# Altium PCB BLDC_DRIVER_1.1_one_side.PcbDoc (part 2 of 3) (continued)
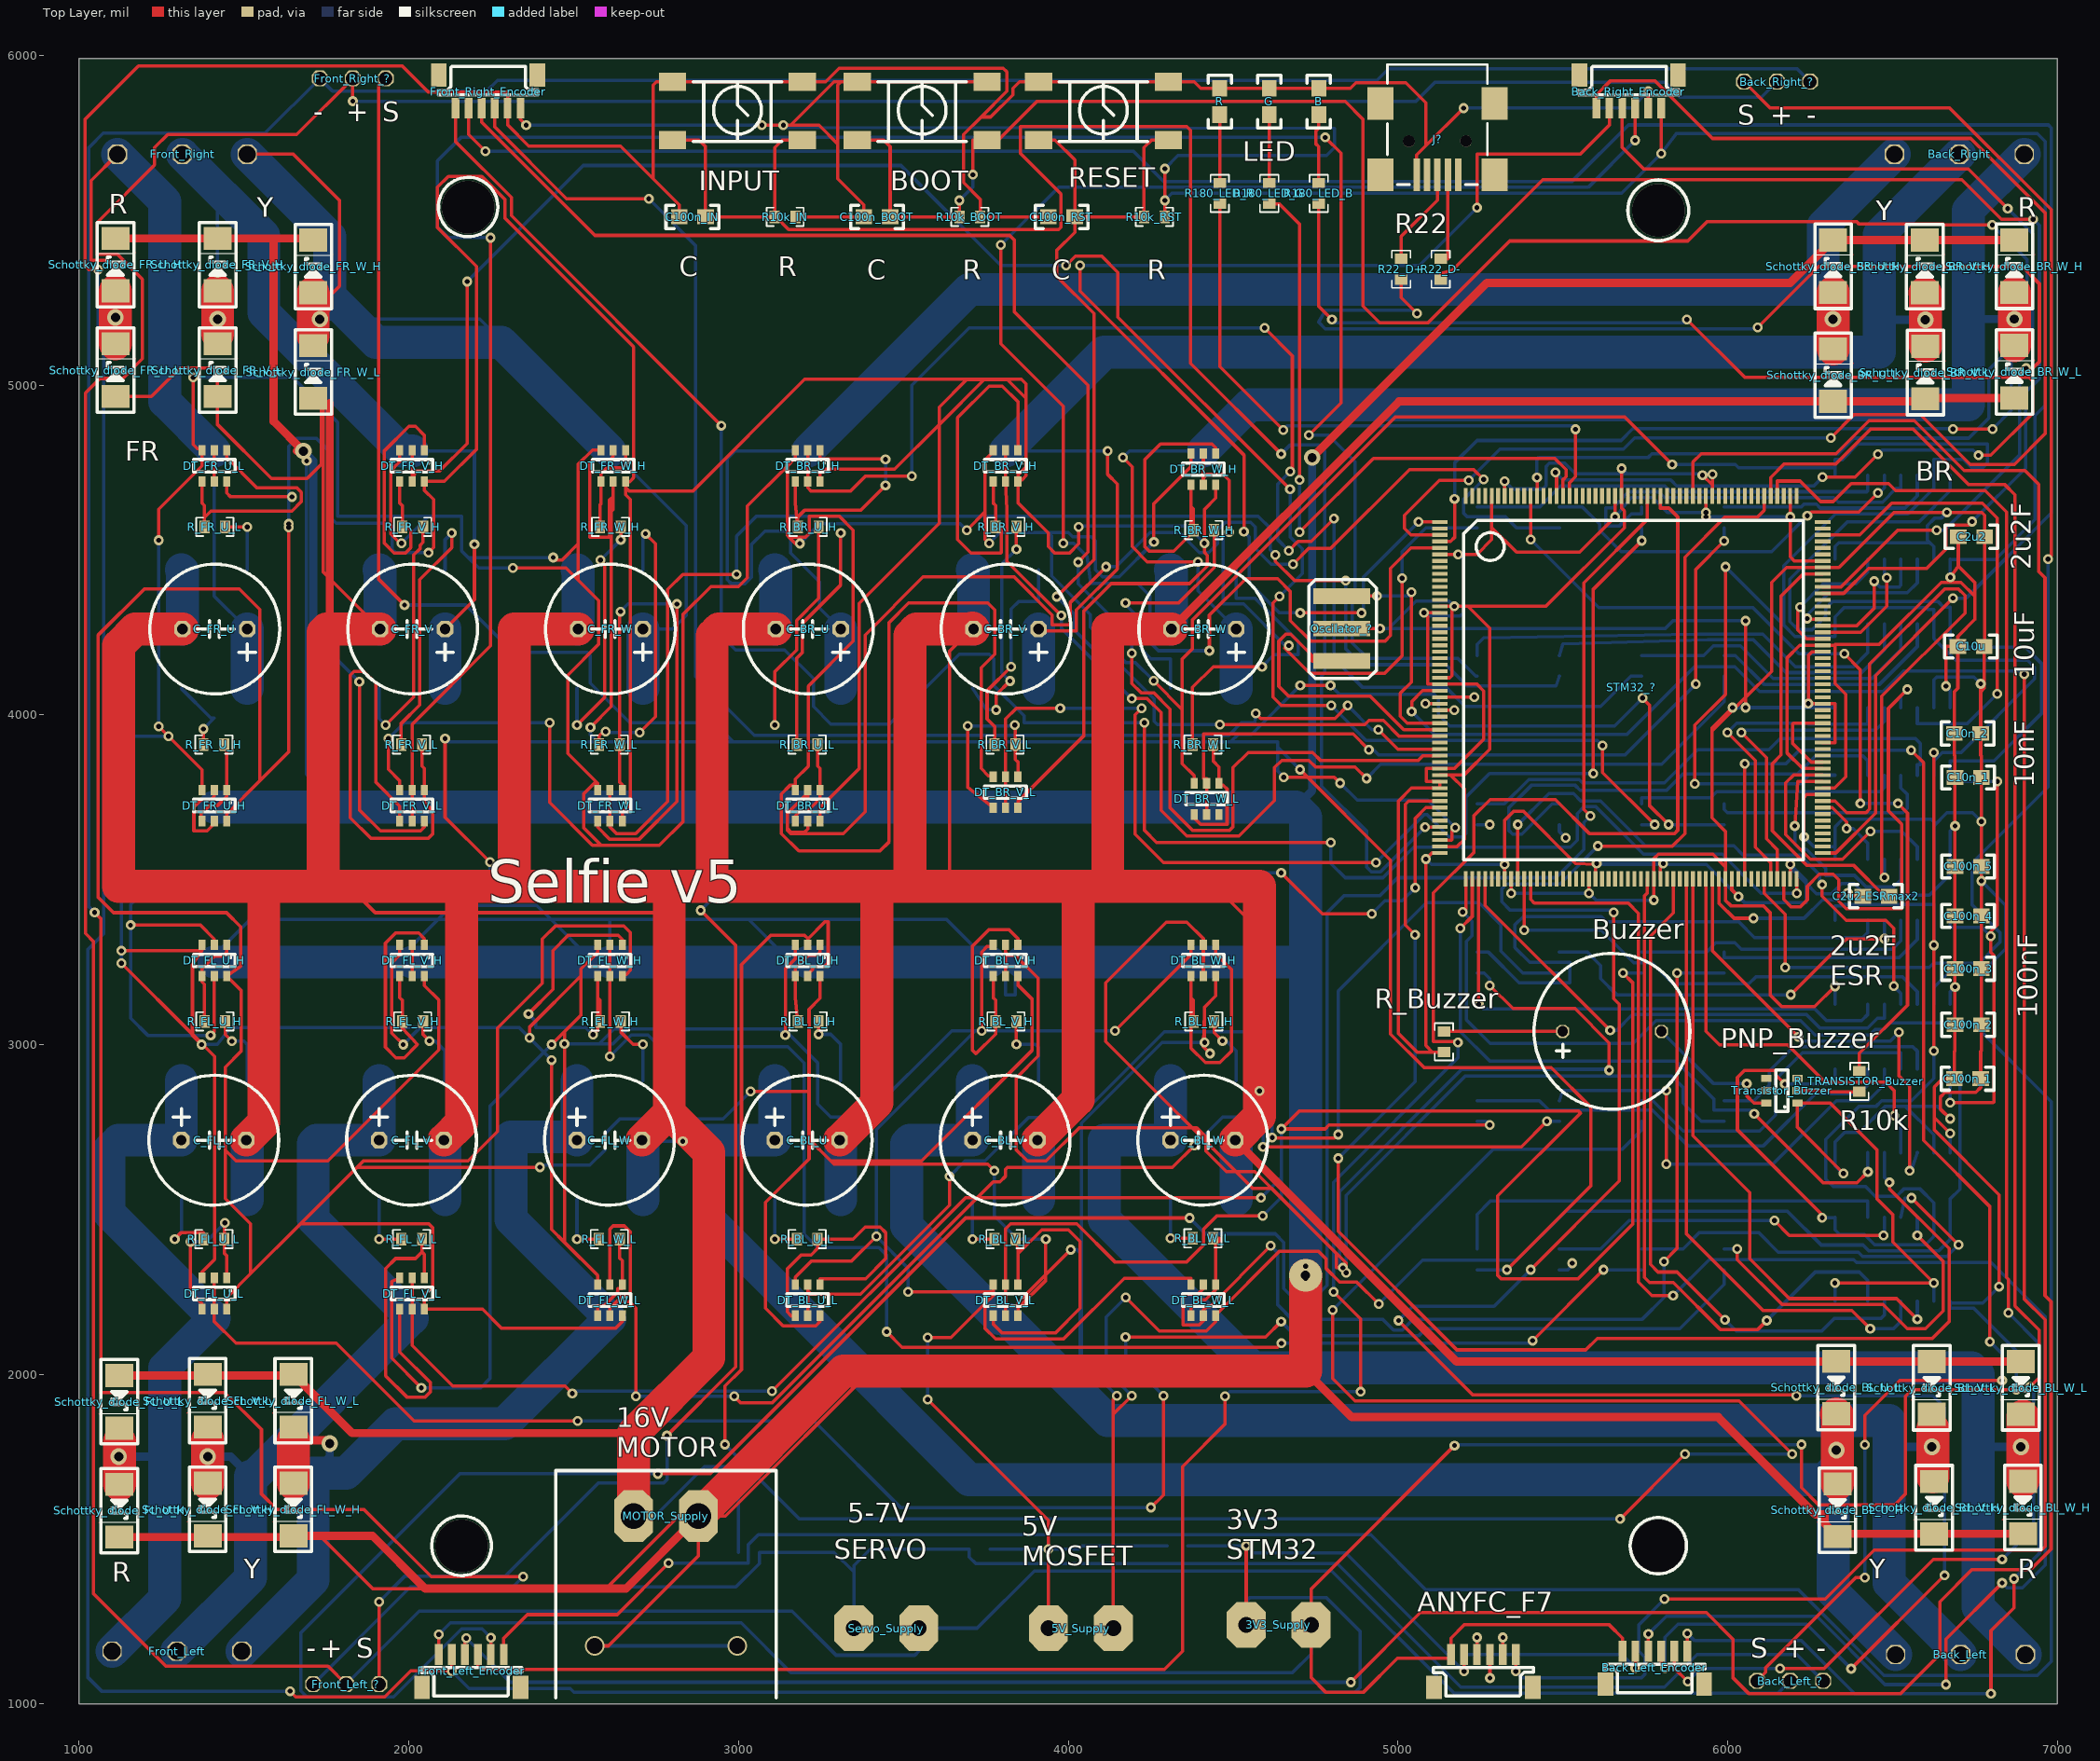
[diagram p0: Top Layer view]
## Nets (pads, with @x,y where several pads share a name; then routed paths per layer and width w, separated by ;. In a path a pad name is that pad's centre, name@x,y a point inside that pad or via, vN(x,y) a via of type N, cw(c..) or ccw(c..) an arc to the next point about the centre after c; other vN are vias at no path point) (continued)
  Top Layer w10: Schottky_diode_FR_V_L.2@1420,5125 1424,5125 1424,5155 Schottky_diode_FR_V_L.2@1420,5155 ; Schottky_diode_FR_V_H.1@1420,5285.55 v1(1420,5340) ; C_FR_V.1@2110,4260 2199,4349 v1(2199,4517)
  Top Layer w100: Schottky_diode_FR_V_L.2@1420,5155 v2(1420,5200) Schottky_diode_FR_V_H.1@1420,5285.55
  Bottom Layer w10: Front_Right.2@1313.15,5700 1420,5593.15 v1(1420,5340) ; MOSFET_FR_V_L.D@2010,4800.24 2199,4800.24 v1(2199,4517)
  Bottom Layer w100: Front_Right.2@1313.15,5700 1560,5453.15 1560,5220 1979.76,4800.24 MOSFET_FR_V_L.D@2010,4800.24 ; MOSFET_FR_V_H.S@2110,4080 C_FR_V.1@2110,4260
NetC_FR_W_1: C_FR_W.1 Front_Right.1 MOSFET_FR_W_H.S MOSFET_FR_W_L.D Schottky_diode_FR_W_H.1 Schottky_diode_FR_W_L.2 | length 4503.2
  Top Layer w10: Front_Right.1@1510,5700 1650,5700 1790,5560 1790,5300 1770,5280 1755,5280 ; Schottky_diode_FR_W_L.2@1710,5119.45 1714,5119.45 1714,5149.45 Schottky_diode_FR_W_L.2@1710,5149.45 ; Schottky_diode_FR_W_H.1@1710,5280 1755,5280 ; v2(1730,5200) 1765,5235 1765,5270 1755,5280
  Top Layer w100: Schottky_diode_FR_W_L.2@1710,5149.45 Schottky_diode_FR_W_H.1@1710,5280
  Bottom Layer w10: v2(1730,5200) 2215,5200 2841.37,4573.63 2841.37,4301.37 2800,4260 C_FR_W.1@2710,4260
  Bottom Layer w100: Front_Right.1@1510,5700 1760,5450 1760,5270 1900,5130 2280.24,5130 MOSFET_FR_W_L.D@2610,4800.24 ; MOSFET_FR_W_H.S@2710,4080 C_FR_W.1@2710,4260
NetDT_BL_U_H_1: DT_BL_U_H.1 DT_BL_U_H.4 R_BL_U_H.1 | length 279
  Top Layer w10: R_BL_U_H.1@3180,3070 3172.6,3142.4 DT_BL_U_H.4@3172.6,3207.72 3172.6,3231.6 3211,3270 3237.4,3270 3247.4,3280 DT_BL_U_H.1@3247.4,3302.2
NetDT_BL_U_H_2: DT_BL_U_H.2 DT_BL_U_H.5 R_DT_BL_U_H.2 | length 8329.7
  Top Layer w10: v1(2959,1787) 2959,1964 3009,2014 3009,3242 3098,3331 3200,3331 3210,3321 3210,3320 ; DT_BL_U_H.5@3210,3207.72 3210,3213 3224,3227 3224,3236.47 3260,3236.47 3272,3248.47 3272,3372 3262,3372 3210,3320 ; DT_BL_U_H.2@3210,3302.2 3210,3320 ; v1(4802,2195) 4802,1987 4870,1919 6035,1919 v1(6196,1758) ; v1(5674,1561) v1(5871,1758)
  Bottom Layer w10: v1(2959,1787) 3185,1561 v1(5674,1561) ; v1(4802,2195) 5289,2682 5680,2682 5740,2742 R_DT_BL_U_H.2@5740,2767 ; v1(5871,1758) v1(6196,1758)
NetDT_BL_U_L_1: DT_BL_U_L.1 DT_BL_U_L.4 R_BL_U_L.1 | length 855.8
  Top Layer w10: DT_BL_U_L.4@3172.6,2177.72 3172.6,2177 3160,2177 3148,2189 3148,2320 3190,2362 3220,2362 3240,2382 R_BL_U_L.1@3240,2410 3348,2410 3384,2446 3430,2446 3446,2430 3446,2349.96 3386.04,2290 3247.4,2290 DT_BL_U_L.1@3247.4,2272.2
NetDT_BL_U_L_2: DT_BL_U_L.2 DT_BL_U_L.5 R_DT_BL_U_L.2 | length 3767.8
  Top Layer w10: DT_BL_U_L.5@3210,2177.72 3210,2253 ; DT_BL_U_L.2@3210,2272.2 3210,2253 ; v1(3640,2600) 3640,2512.46 3370.54,2243 3220,2243 3210,2253 ; v1(4619,2718) 4621,2716 4808,2716 v1(4819,2727)
  Bottom Layer w10: v1(3640,2600) 3687,2647 3748,2647 3880,2779 4032,2779 4292,3039 4610,3039 4626,3023 4626,2779 4619,2772 v1(4619,2718) ; v1(4819,2727) 4819,3162.26 5086.74,3430 5246,3430 5313,3363 5313,3283 5379,3217 R_DT_BL_U_L.2@5490,3217
NetDT_BL_V_H_1: DT_BL_V_H.1 DT_BL_V_H.4 R_BL_V_H.1 | length 783.6
  Top Layer w10: DT_BL_V_H.4@3772.6,3207.72 3772.6,3142.4 3780,3135 R_BL_V_H.1@3780,3070 3780,3032 3720,2972 3710,2982 3710,3299 3760,3349 3820,3349 3847.4,3321.6 DT_BL_V_H.1@3847.4,3302.2
NetDT_BL_V_H_2: DT_BL_V_H.2 DT_BL_V_H.5 R_DT_BL_V_H.2 | length 3671.8
  Top Layer w10: DT_BL_V_H.5@3810,3207.72 3810,3280 ; DT_BL_V_H.2@3810,3302.2 3810,3280 ; v1(4843,2308) 4843,2337.79 4565.79,2615 4480,2615 4418,2677 4418,2720 4390,2748 4033.95,2748 3932.95,2647 3876,2647 3843,2680 3843,2899 3909,2965 3909,3201 3840,3270 3820,3270 3810,3280
  Bottom Layer w10: v1(4843,2308) 4843,2542.39 5205.61,2905 5830,2905 5865,2870 5865,2822 5920,2767 R_DT_BL_V_H.2@5990,2767
NetDT_BL_V_L_1: DT_BL_V_L.1 DT_BL_V_L.4 R_BL_V_L.1 | length 905.6
  Top Layer w10: DT_BL_V_L.4@3772.6,2177.72 3772.6,2152.4 3800,2125 3961,2125 4036,2200 4036,2402.35 4000.35,2438 3920,2438 3847.4,2365.4 ; R_BL_V_L.1@3840,2410 3847.4,2381.21 3847.4,2365.4 ; DT_BL_V_L.1@3847.4,2272.2 3847.4,2365.4
NetDT_BL_V_L_2: DT_BL_V_L.2 DT_BL_V_L.5 R_DT_BL_V_L.2 | length 4311.7
  Top Layer w10: DT_BL_V_L.5@3810,2177.72 DT_BL_V_L.2@3810,2272.2 3810,2441 3825,2456 4026.23,2456 4141.23,2341 4360,2341 4411,2392 4411,2440 4451,2480 v1(4590,2480) ; v1(4647,2744) 4701,2798 5548,2798 5554,2792 5303,2541 5303,2300 5314,2289 5546.19,2289 5712,2454.81 5712,3188 v1(5683,3217)
  Bottom Layer w10: v1(4590,2480) 4647,2537 v1(4647,2744) ; v1(5683,3217) R_DT_BL_V_L.2@5740,3217
NetDT_BL_W_H_1: DT_BL_W_H.1 DT_BL_W_H.4 R_BL_W_H.1 | length 792.4
  Top Layer w10: DT_BL_W_H.4@4372.6,3207.72 4372.6,3142.4 ; R_BL_W_H.1@4380,3070 4380,3135 4372.6,3142.4 ; DT_BL_W_H.1@4447.4,3302.2 4447.4,3275.14 4496,3226.54 4496,2980.6 4460.46,2945.06 4416.19,2945.06 4372.6,2988.65 4372.6,3142.4
NetDT_BL_W_H_2: DT_BL_W_H.2 DT_BL_W_H.5 R_DT_BL_W_H.2 | length 3505.6
  Top Layer w10: DT_BL_W_H.5@4410,3207.72 DT_BL_W_H.2@4410,3302.2 4410,3321 4360,3371 4298,3371 4114,3187 4114,3009.32 4558.97,2564.35 4616.43,2564.35 4813,2367.79 4813,2323 v1(4833,2323) ; v1(5279,3179) 5349,3109 5537,3109 5641,3005 v1(5641,2922)
  Bottom Layer w10: v1(4833,2323) 4823,2333 4823,2554 5194,2925 5638,2925 v1(5641,2922) ; R_DT_BL_W_H.2@5240,3217 5262,3217 5279,3200 v1(5279,3179)
NetDT_BL_W_L_1: DT_BL_W_L.1 DT_BL_W_L.4 R_BL_W_L.1 | length 299.9
  Top Layer w10: DT_BL_W_L.4@4372.6,2177.72 4372.6,2200 4398.05,2225.45 4416.45,2225.45 4447.4,2256.4 DT_BL_W_L.1@4447.4,2272.2 4447.4,2393.21 4458.83,2404.64 4458.83,2412.28 R_BL_W_L.1@4440,2412.28
NetDT_BL_W_L_2: DT_BL_W_L.2 DT_BL_W_L.5 R_DT_BL_W_L.2 | length 3128
  Top Layer w10: DT_BL_W_L.2@4410,2272.2 4410,2260 4393.45,2243.45 4360,2243.45 4348.77,2232.22 4348.77,2148.97 4397,2148.97 4410,2161.97 DT_BL_W_L.5@4410,2177.72 4410,2195 4420,2205 4430,2205 v1(4614.5,2389.5) ; v1(5807,2342) 5847,2382 v1(5847,3217)
  Bottom Layer w10: v1(4614.5,2389.5) 4636,2368 4636,2210 4680,2166 4955.35,2166 4986.85,2134.5 5013.61,2134.5 5045.11,2166 5740,2166 5807,2233 v1(5807,2342) ; v1(5847,3217) R_DT_BL_W_L.2@5990,3217
NetDT_BR_U_H_1: DT_BR_U_H.1 DT_BR_U_H.4 R_BR_U_H.1 | length 778.1
  Top Layer w10: DT_BR_U_H.4@3172.6,4707.72 3172.6,4642.4 R_BR_U_H.1@3180,4570 3180,4600 3200,4620 3370,4620 v1(3446,4696) ; DT_BR_U_H.1@3247.4,4802.2 3247.4,4776 3445,4776 v1(3446,4775)
  Bottom Layer w10: v1(3446,4696) v1(3446,4775)
NetDT_BR_U_H_2: DT_BR_U_H.2 DT_BR_U_H.5 R_DT_BR_U_H.2 | length 4246.5
  Top Layer w10: DT_BR_U_H.2@3210,4802.2 DT_BR_U_H.5@3210,4707.72 3210,4688 3220,4678 3339,4678 3385,4724 v1(3526,4724) ; v1(4596,5173) 4680,5089 4680,4744 v1(4674,4738) ; v1(4669,4498) 4697,4526 4737,4526 v1(4806,4595)
  Bottom Layer w10: v1(3526,4724) 3526,4999 3700,5173 v1(4596,5173) ; v1(4669,4498) 4636,4531 4636,4700 v1(4674,4738) ; v1(4806,4595) 4806,4170 4892,4084 5145,4084 5204,4025 5615,4025 5707,4117 R_DT_BR_U_H.2@5740,4117
NetDT_BR_U_L_1: DT_BR_U_L.1 DT_BR_U_L.4 R_BR_U_L.1 | length 279.8
  Top Layer w10: DT_BR_U_L.4@3172.6,3677.72 3172.6,3693.6 3186,3707 3209,3707 3247.4,3745.4 DT_BR_U_L.1@3247.4,3772.2 3247.4,3837 3240,3844.4 R_BR_U_L.1@3240,3910
NetDT_BR_U_L_2: DT_BR_U_L.2 DT_BR_U_L.5 R_DT_BR_U_L.2 | length 4070.9
  Top Layer w10: DT_BR_U_L.5@3210,3677.72 3210,3654 3200,3644 3160,3644 3148,3656 ; DT_BR_U_L.2@3210,3772.2 DT_BR_U_L.2@3210,3764 ; v1(4114.76,4449) 4007,4341.24 4007,4273 3951,4273 3951,4303 3836,4418 3560,4418 3384,4242 3384,3706 3318,3640 3158,3640 3148,3650 3148,3656 ; v1(4682,4457) 4730.33,4505.33 4796.34,4505.33 5035.01,4744 5230,4744 v1(5260,4714) ; 3148,3656 3148,3700 ; 3148,3700 3148,3702 DT_BR_U_L.2@3210,3764 ; 3148,3700 3198,3750 3210,3750 DT_BR_U_L.2@3210,3764
  Bottom Layer w10: v1(4114.76,4449) 4145,4449 4248.28,4552.28 4337.72,4552.28 4398,4492 4426,4492 4452.42,4518.42 4452.42,4560 4476.59,4584.16 4553.41,4584.16 4567.58,4570 4567.58,4504.7 4615.28,4457 v1(4682,4457) ; v1(5260,4714) 5200,4654 5200,4611 5210,4601 5326,4601 5360,4567 R_DT_BR_U_L.2@5490,4567
NetDT_BR_V_H_1: DT_BR_V_H.1 DT_BR_V_H.4 R_BR_V_H.1 | length 1143.9
  Top Layer w10: DT_BR_V_H.4@3772.6,4707.72 3772.6,4642.4 3780,4635 R_BR_V_H.1@3780,4570 3796.5,4570 3796.5,4492.5 3795,4491 3705.14,4491 3664.14,4532 3664.14,4901.14 3760,4997 3800,4997 3847.4,4949.6 DT_BR_V_H.1@3847.4,4802.2
NetDT_BR_V_H_2: DT_BR_V_H.2 DT_BR_V_H.5 R_DT_BR_V_H.2 | length 3403.9
  Top Layer w10: DT_BR_V_H.2@3810,4802.2 DT_BR_V_H.5@3810,4707.72 3814.5,4622.5 3814.5,4465.5 v1(3979,4301) ; v1(4193,4049) 4240,4049 4282,4007 4282,3710 4360,3632 4518,3632 4626,3740 4626,3840 4648,3862 4730.47,3862 4750.47,3842 4870,3842 v1(4905,3807)
  Bottom Layer w10: v1(3979,4301) 3979,4263 v1(4193,4049) ; v1(4905,3807) 4948,3850 5800,3850 5990,4040 R_DT_BR_V_H.2@5990,4117
NetDT_BR_V_L_1: DT_BR_V_L.1 DT_BR_V_L.4 R_BR_V_L.1 | length 591.6
  Top Layer w10: v1(3695,3966) 3695,3780 DT_BR_V_L.4@3772.6,3717.72 ; v1(3838,3969) 3840,3969 R_BR_V_L.1@3840,3910 3840,3864.4 3847.4,3857 DT_BR_V_L.1@3847.4,3812.2
  Bottom Layer w10: v1(3695,3966) 3835,3966 v1(3838,3969)
NetDT_BR_V_L_2: DT_BR_V_L.2 DT_BR_V_L.5 R_DT_BR_V_L.2 | length 3549.5
  Top Layer w10: DT_BR_V_L.5@3810,3717.72 DT_BR_V_L.2@3810,3812.2 3810,3987 3843,4020 v1(3976,4020) ; v1(4223,4020) 4203,4000 4203,3638 4289,3552 v1(4934,3552) ; v1(5593,3822) 5593,4381 v1(5740,4528)
  Bottom Layer w10: v1(3976,4020) v1(4223,4020) ; v1(4934,3552) 5079,3697 5089,3697 5156,3630 5196,3630 5206,3640 5206,3750 5278,3822 v1(5593,3822) ; v1(5740,4528) R_DT_BR_V_L.2@5740,4567
NetDT_BR_W_H_1: DT_BR_W_H.1 DT_BR_W_H.4 R_BR_W_H.1 | length 913.4
  Top Layer w10: DT_BR_W_H.4@4372.6,4697.72 4372.6,4632.4 ; R_BR_W_H.1@4380,4560 4380,4625 4372.6,4632.4 ; DT_BR_W_H.1@4447.4,4792.2 4447.4,4810 4436.4,4821 4280,4821 4232,4773 4232,4510 4246,4496 4320,4496 4372.6,4548.6 4372.6,4632.4
NetDT_BR_W_H_2: DT_BR_W_H.2 DT_BR_W_H.5 R_DT_BR_W_H.2 | length 1814.7
  Top Layer w10: DT_BR_W_H.5@4410,4697.72 4410,4719 ; DT_BR_W_H.2@4410,4792.2 4410,4719 ; v1(4488,4554) 4488,4711 4470,4729 4420,4729 4410,4719 ; v1(4669,4210) 4665,4210 4657,4202 4733,4126 4960,4126 5013,4179 v1(5013,4414)
  Bottom Layer w10: v1(4488,4554) 4470.42,4536.42 4470.42,4336 4531.76,4336 4657.76,4210 v1(4669,4210) ; v1(5013,4414) 5013,4495 5085,4567 R_DT_BR_W_H.2@5240,4567
NetDT_BR_W_L_1: DT_BR_W_L.1 DT_BR_W_L.4 R_BR_W_L.1 | length 384.8
  Top Layer w10: DT_BR_W_L.4@4382.6,3697.72 4382.6,3686.97 4401.56,3668 4482,3668 4482,3775 4470,3787 4457.4,3787 DT_BR_W_L.1@4457.4,3792.2 4457.4,3842 4440,3859.4 R_BR_W_L.1@4440,3910
NetDT_BR_W_L_2: DT_BR_W_L.2 DT_BR_W_L.5 R_DT_BR_W_L.2 | length 2370.6
  Top Layer w10: DT_BR_W_L.5@4420,3697.72 DT_BR_W_L.2@4420,3792.2 4420,3807 4411,3807 4411,3942 4864,3942 v1(4912,3894) ; v1(5904,4093) 5904,4441 v1(5990,4527)
  Bottom Layer w10: v1(4912,3894) 4926,3894 4941,3879 5690,3879 v1(5904,4093) ; v1(5990,4527) R_DT_BR_W_L.2@5990,4567
NetDT_FL_U_H_1: DT_FL_U_H.1 DT_FL_U_H.4 R_FL_U_H.1 | length 280.8
  Top Layer w10: R_FL_U_H.1@1380,3070 1380,3182.6 1372.6,3190 DT_FL_U_H.4@1372.6,3207.72 1372.6,3230 1411,3268.4 1435.8,3268.4 1447.4,3280 DT_FL_U_H.1@1447.4,3302.2
NetDT_FL_U_H_2: DT_FL_U_H.2 DT_FL_U_H.5 R_DT_FL_U_H.2 | length 7623.4
  Top Layer w10: v1(1156,3362) 1368,3362 1410,3320 DT_FL_U_H.2@1410,3302.2 ; v1(1399,3028) 1410,3039 DT_FL_U_H.5@1410,3207.72 ; v1(2110,3928) 2110,3689 v1(2246,3553) ; v1(4703,3834) 4978,3559 4978,3032 5080,2930 5465,2930 5586,2809 5586,2572 v1(5331,2317)
  Bottom Layer w10: v1(1399,3028) 1208.19,3028 1156,3080.19 v1(1156,3362) 1156,3425 1180,3449 2165,3449 2246,3530 v1(2246,3553) ; v1(2110,3928) 2110,3918 4636,3918 4636,3901 v1(4703,3834) ; R_DT_FL_U_H.2@5240,2317 v1(5331,2317)
NetDT_FL_U_L_1: DT_FL_U_L.1 DT_FL_U_L.4 R_FL_U_L.1 | length 516.9
  Top Layer w10: v1(1338,2402) 1338,2248.6 1372.6,2214 DT_FL_U_L.4@1372.6,2197.72 ; v1(1442,2459) 1440,2457 R_FL_U_L.1@1440,2410 1440,2367 1447.4,2359.6 DT_FL_U_L.1@1447.4,2292.2
  Bottom Layer w10: v1(1338,2402) 1385,2402 v1(1442,2459)
NetDT_FL_U_L_2: DT_FL_U_L.2 DT_FL_U_L.5 R_DT_FL_U_L.2 | length 5790.2
  Top Layer w10: DT_FL_U_L.2@1410,2292.2 DT_FL_U_L.5@1410,2197.72 1410,2160 1476,2094 1779.88,2094 2015.88,1858 v1(2512,1858) ; v1(4174,2112.97) 4598.97,2112.97 v1(4646,2160) ; v1(4251,1596) 4289,1634 v1(4289,1935)
  Bottom Layer w10: v1(2512,1858) 3229,1858 3491,1596 v1(4251,1596) ; v1(4174,2112.97) 4174,1981 4184,1971 4253,1971 v1(4289,1935) ; v1(4646,2160) 4689.5,2116.5 5063.11,2116.5 5084.61,2138 5855.48,2138 5990,2272.52 R_DT_FL_U_L.2@5990,2317
NetDT_FL_V_H_1: DT_FL_V_H.1 DT_FL_V_H.4 R_FL_V_H.1 | length 827.3
  Top Layer w10: DT_FL_V_H.4@1972.6,3207.72 1972.6,3142.4 1980,3135 R_FL_V_H.1@1980,3070 1980,3050 2026,3000 1986,2960 1961.09,2960 1929,2992.09 1929,3307 1960,3338 2030,3338 2047.4,3320.6 DT_FL_V_H.1@2047.4,3302.2
NetDT_FL_V_H_2: DT_FL_V_H.2 DT_FL_V_H.5 R_DT_FL_V_H.2 | length 145.9
  Top Layer w10: DT_FL_V_H.5@2010,3207.72 DT_FL_V_H.2@2010,3302.2
  Bottom Layer w10: R_DT_FL_V_H.2@5490,2317 5516,2317 5529,2330 v1(5529,2337)
NetDT_FL_V_L_1: DT_FL_V_L.1 DT_FL_V_L.4 R_FL_V_L.1 | length 1036.1
  Top Layer w10: DT_FL_V_L.4@1972.6,2197.72 1972.6,2068 2066,1974.6 2066,1947 2050,1931 1994,1931 1930,1995 1930,2321 1960,2351 2020,2351 2040,2371 ; R_FL_V_L.1@2040,2410 2040,2371 ; DT_FL_V_L.1@2047.4,2292.2 2047.4,2363.6 2040,2371
NetDT_FL_V_L_2: DT_FL_V_L.2 DT_FL_V_L.5 R_DT_FL_V_L.2 | length 4001.1
  Top Layer w10: DT_FL_V_L.2@2010,2292.2 DT_FL_V_L.5@2010,2197.72 2010,2087 2133,1964 2474,1964 v1(2496,1942) ; v1(3101.5,1948.5) 3688,2535 v1(4585,2535) ; v1(4647,2744) 4779.15,2744 4791,2755.85 v1(5279,2755.85)
  Bottom Layer w10: v1(2496,1942) 2502.5,1948.5 v1(3101.5,1948.5) ; v1(4585,2535) 4647,2597 v1(4647,2744) ; R_DT_FL_V_L.2@5240,2767 5267.85,2767 v1(5279,2755.85)
NetDT_FL_W_H_1: DT_FL_W_H.1 DT_FL_W_H.4 R_FL_W_H.1 | length 966.3
  Top Layer w10: v1(2363,3093) 2437,3167 2437,3285 2483,3331 2635.4,3331 2647.4,3319 DT_FL_W_H.1@2647.4,3302.2 ; v1(2559,3030) 2572.6,3043.6 2572.6,3142.4 ; DT_FL_W_H.4@2572.6,3207.72 2572.6,3142.4 ; R_FL_W_H.1@2580,3070 2580,3135 2572.6,3142.4
  Bottom Layer w10: v1(2363,3093) 2384.4,3071.6 2384.4,3052 2537,3052 v1(2559,3030)
NetDT_FL_W_H_2: DT_FL_W_H.2 DT_FL_W_H.5 R_DT_FL_W_H.2 | length 4425
  Top Layer w10: v1(2610,2964) DT_FL_W_H.5@2610,3207.72 DT_FL_W_H.2@2610,3302.2 ; v1(3449,2129) 3496,2082 4635,2082 v1(4647,2094) ; v1(5409,2102) v1(5624,2317)
  Bottom Layer w10: v1(2610,2964) 2675,3029 2726,3029 2761.45,2993.55 3150,2993.55 3199,2944.55 3199,2425 3240,2384 3426,2384 3449,2361 v1(3449,2129) ; v1(4647,2094) 5401,2094 v1(5409,2102) ; v1(5624,2317) R_DT_FL_W_H.2@5740,2317
NetDT_FL_W_L_1: DT_FL_W_L.1 DT_FL_W_L.4 R_FL_W_L.1 | length 285.3
  Top Layer w10: DT_FL_W_L.4@2572.6,2177.72 2572.6,2207 2591.54,2207 2634,2249.46 2634,2260 2647.4,2260 DT_FL_W_L.1@2647.4,2272.2 2647.4,2344.4 2640,2351.8 R_FL_W_L.1@2640,2410
NetDT_FL_W_L_2: DT_FL_W_L.2 DT_FL_W_L.5 R_DT_FL_W_L.2 | length 4398.5
  Top Layer w10: DT_FL_W_L.5@2610,2177.72 2610,2200 2630,2220 ; DT_FL_W_L.2@2610,2272.2 2610,2440 2620,2450 2654,2450 2672,2432 2672,2242 2652,2242 2630,2220 ; v1(2689,1933) 2689,2200 2669,2220 2630,2220 ; v1(2987.12,1933) 3007.12,1913 3101.85,1913 3772.53,2583.68 3793,2583.68 3809.32,2600 3809.32,2620.47 3815.85,2627 4316,2627 v1(4383,2694) ; v1(4591,2690) 5375,2690 v1(5452,2767)
  Bottom Layer w10: v1(2689,1933) v1(2987.12,1933) ; v1(4383,2694) 4469,2780 4542,2780 4552,2790 4552,2880 4567,2895 4590,2895 4608,2877 4608,2831 4594,2817 4594,2749 4591,2746 v1(4591,2690) ; v1(5452,2767) R_DT_FL_W_L.2@5490,2767
NetDT_FR_U_H_1: DT_FR_U_H.1 DT_FR_U_H.4 R_FR_U_H.1 | length 282.7
  Top Layer w10: DT_FR_U_H.4@1372.6,3677.72 1370.31,3680 1370.31,3700 1395.31,3725 1420,3725 1447.4,3752.4 DT_FR_U_H.1@1447.4,3772.2 1447.4,3902.6 R_FR_U_H.1@1440,3910
NetDT_FR_U_H_2: DT_FR_U_H.2 DT_FR_U_H.5 R_DT_FR_U_H.2 | length 293.5
  Top Layer w10: DT_FR_U_H.5@1410,3677.72 1410,3670.16 1387.84,3648 1348,3648 1348,3720 1371,3743 1400,3743 1410,3753 1410,3770 DT_FR_U_H.2@1410,3772.2
  Bottom Layer w10: R_DT_FR_U_H.2@5490,3667 5490,3646 v1(5509,3627)
NetDT_FR_U_L_1: DT_FR_U_L.1 DT_FR_U_L.4 R_FR_U_L.1 | length 775.6
  Top Layer w10: DT_FR_U_L.4@1372.6,4707.72 1372.6,4642.4 1380,4635 1380,4598 ; R_FR_U_L.1@1380,4570 1380,4598 ; DT_FR_U_L.1@1447.4,4802.2 1447.4,4780 1538.4,4689 1660,4689 1674,4675 1674,4646.59 1645.41,4618 1400,4618 1380,4598
NetDT_FR_U_L_2: DT_FR_U_L.2 DT_FR_U_L.5 R_DT_FR_U_L.2 | length 133.5
  Top Layer w10: DT_FR_U_L.5@1410,4707.72 DT_FR_U_L.2@1410,4802.2
  Bottom Layer w10: R_DT_FR_U_L.2@5240,3667 v1(5279,3667)
NetDT_FR_V_H_1: DT_FR_V_H.1 DT_FR_V_H.4 R_FR_V_H.1 | length 812.4
  Top Layer w10: DT_FR_V_H.4@1972.6,4707.72 1972.6,4642.4 1980,4635 R_FR_V_H.1@1980,4570 1996,4570 2006,4560 2006,4507 1990,4491 1955,4491 1926,4520 1926,4801 2000,4875 2020,4875 2047.4,4847.6 DT_FR_V_H.1@2047.4,4802.2
NetDT_FR_V_H_2: DT_FR_V_H.2 DT_FR_V_H.5 R_DT_FR_V_H.2 | length 6049.9
  Top Layer w10: DT_FR_V_H.2@2010,4802.2 DT_FR_V_H.5@2010,4707.72 2020,4740 2094,4740 2177,4823 v1(2177,5314) ; v1(3994,5363) 4022,5391 4101.81,5391 4151.02,5341.79 4151.02,5205.98 v1(4673,4684) ; v1(4641,4359) 4621,4339 4621,4053.32 4646.32,4028 v1(4798,4028) ; v1(5621,3907) 5621,3825 v1(5779,3667)
  Bottom Layer w10: v1(2177,5314) 2529,5666 3492.68,5666 3795.68,5363 v1(3994,5363) ; v1(4641,4359) 4710,4428 4710,4503 4673,4540 v1(4673,4684) ; v1(4798,4028) 4903.47,3922.53 5605.47,3922.53 v1(5621,3907) ; R_DT_FR_V_H.2@5740,3667 v1(5779,3667)
NetDT_FR_V_L_1: DT_FR_V_L.1 DT_FR_V_L.4 R_FR_V_L.1 | length 1544
  Top Layer w10: DT_FR_V_L.4@1972.6,3677.72 1972.6,3723 1900,3795.6 1900,4095.7 1863.7,4132 1834,4132 1822,4120 1822,3688 1884,3626 2060,3626 2072,3638 2072,3709.4 2047.4,3734 DT_FR_V_L.1@2047.4,3772.2 2047.4,3837 2040,3844.4 R_FR_V_L.1@2040,3910
NetDT_FR_V_L_2: DT_FR_V_L.2 DT_FR_V_L.5 R_DT_FR_V_L.2 | length 7074.7
  Top Layer w10: DT_FR_V_L.5@2010,3677.72 DT_FR_V_L.2@2010,3772.2 2010,3971 2248,4209 v1(2248,5447) ; v1(4730,4848) 4828,4946 4828,5703 v1(4780,5751)
  Bottom Layer w10: v1(2248,5447) 2120,5447 2087,5480 2087,5680 2158,5751 v1(4780,5751) ; v1(4730,4848) 4790,4848 4870,4768 4870,4379 4862,4371 4862,4218 4909,4171 5182,4171 5236,4117 R_DT_FR_V_L.2@5240,4117
NetDT_FR_W_H_1: DT_FR_W_H.1 DT_FR_W_H.4 R_FR_W_H.1 | length 291.4
  Top Layer w10: R_FR_W_H.1@2580,4570 2580,4637 2582.6,4639.6 DT_FR_W_H.4@2582.6,4707.72 2582.6,4731.6 2600,4749 2646.4,4749 2657.4,4760 DT_FR_W_H.1@2657.4,4802.2
NetDT_FR_W_H_2: DT_FR_W_H.2 DT_FR_W_H.5 R_DT_FR_W_H.2 | length 5280.7
  Top Layer w10: v1(2551,3962) 2614,4025 2614,4616 2620,4622 2620,4662 ; DT_FR_W_H.5@2620,4707.72 2620,4662 ; DT_FR_W_H.2@2620,4802.2 2620,4783 2610,4773 2558,4773 2549,4764 2549,4538 2609,4538 2609,4651 2620,4662 ; v1(4704,4089) v1(4796,4089) ; v1(5742,4051) 5763,4030 5763,3725 v1(5821,3667)
  Bottom Layer w10: v1(2551,3962) 2551,3940 2573,3918 4493,3918 4516,3941 4556,3941 v1(4704,4089) ; v1(4796,4089) 4823.3,4061.7 5110.39,4061.7 5122.71,4049.38 5122.71,4000 5156.71,3966 5657,3966 v1(5742,4051) ; v1(5821,3667) R_DT_FR_W_H.2@5990,3667
NetDT_FR_W_L_1: DT_FR_W_L.1 DT_FR_W_L.4 R_FR_W_L.1 | length 1646.1
  Top Layer w10: DT_FR_W_L.4@2572.6,3677.72 2572.6,3659.4 2610,3622 2698,3622 2813,3737 v1(2813,4336) ; v1(2642,4313) 2640,4311 R_FR_W_L.1@2640,3910 2640,3795.4 2647.4,3788 DT_FR_W_L.1@2647.4,3772.2
  Bottom Layer w10: v1(2642,4313) 2665,4336 v1(2813,4336)
NetDT_FR_W_L_2: DT_FR_W_L.2 DT_FR_W_L.5 R_DT_FR_W_L.2 | length 4248.1
  Top Layer w10: DT_FR_W_L.2@2610,3772.2 DT_FR_W_L.5@2610,3677.72 2610,3660 2630,3640 2688,3640 2785,3737 2785,4380 2831,4426 v1(2994,4426) ; v1(4628.56,4485) 4628.56,4465.44 4687,4407 v1(4842,4407)
  Bottom Layer w10: v1(2994,4426) 2994,4542 3054.16,4602.16 4576.49,4602.16 4613.34,4565.31 4613.34,4500.22 v1(4628.56,4485) ; v1(4842,4407) 4842,4200 4890,4152 5146,4152 5210,4088 5480,4088 R_DT_FR_W_L.2@5490,4117
NetFront_Left_?_3: Front_Left_?.3 STM32_?.45 | length 5731.4
  Top Layer w10: Front_Left_?.3@1910,1060 v1(1910,1310) ; v1(2783,1814) 2991,2022 2991,3301 v1(2885,3407) ; v1(4646,3521) 4771,3396 v1(4921,3396) ; v1(5053,3476) 5053,3686.29 5085.45,3718.74 STM32_?.45@5127.17,3718.74
  Bottom Layer w10: v1(1910,1310) 1987,1387 2292,1387 2575,1670 2773,1670 2783,1680 v1(2783,1814) ; v1(2885,3407) 2999,3521 v1(4646,3521) ; v1(4921,3396) 4961,3436 5013,3436 v1(5053,3476)
NetFront_Left_Encoder_3: Front_Left_Encoder.3 STM32_?.173 | length 9975.2
  Top Layer w10: Front_Left_Encoder.3@2169.92,1150.39 2169.92,1195.92 v1(2174,1200) ; v1(4857,1066) 5068,1277 5936,1277 6016,1197 6016,1080 6064,1032 6525,1032 6643.78,1150.78 6643.78,1309.78 6742,1408 6920,1408 6981.33,1469.33 6981.33,2220.67 6963,2239 6963,4415.61 6944,4434.61 6944,4699 6902,4741 6718,4741 6566.81,4892.19 6429.06,4892.19 6328.75,4791.88 5920,4791.88 5894.88,4766.76 STM32_?.173@5894.88,4663.62
  Bottom Layer w10: v1(2174,1200) 2308,1066 v1(4857,1066)
NetFront_Left_Encoder_4: Front_Left_Encoder.4 STM32_?.178 | length 7239.4
  Top Layer w10: Front_Left_Encoder.4@2209.29,1150.39 2209.29,1115.71 2220,1105 4292,1105 4347,1160 4347,1720 4476,1849 v1(4476,1933) ; v1(4805,2250) 4887,2168 v1(4887,1947) ; v1(5182,3006) 5179,3009 5108,3009 5108,3460 5230,3582 5230,3693 5280,3743 5478,3743 5582,3639 5838,3639 5849,3650 5849,4600 5822,4627 5796.46,4627 STM32_?.178@5796.46,4663.62
  Bottom Layer w10: v1(4476,1933) 4490,1947 v1(4887,1947) ; v1(4805,2250) 4805,2582.63 5182,2959.63 v1(5182,3006)
NetFront_Left_Encoder_5: Front_Left_Encoder.5 STM32_?.180 | length 7892.6
  Top Layer w10: Front_Left_Encoder.5@2248.66,1150.39 v1(2248.66,1201.34) ; v1(2755,1698) 2913,1698 3689,2474 v1(4368,2474) ; v1(5584,3693) 5564,3713 5564,4399.91 5757.09,4593 STM32_?.180@5757.09,4663.62
  Bottom Layer w10: v1(2248.66,1201.34) 2222,1228 2160,1228 1954,1022 1690,1022 1672,1040 1672,1216 2154,1698 v1(2755,1698) ; v1(4368,2474) 4416,2426 4628,2426 4654,2400 4654,2260 4677,2237 4752,2237 4785,2270 4785,3400 4836,3451 4944.57,3451 4999.57,3506 5479,3506 5564,3591 5564,3673 v1(5584,3693)
NetFront_Left_Encoder_6: Front_Left_Encoder.6 STM32_?.53 | length 9211.3
  Top Layer w10: Front_Left_Encoder.6@2288.03,1150.39 2288.03,1200 2359.03,1271 2632,1271 v1(2788,1427) ; v1(5197,3402) 5205.91,3410.91 STM32_?.53@5205.91,3502.2
  Bottom Layer w10: v1(2788,1427) 3029,1427 3029,1482 3060,1513 4918,1513 5085,1346 6216,1346 6475,1087 6940,1087 6982,1129 6982,2827 6743.74,3065.26 6491.68,3065.26 6471.68,3045.26 6447.76,3045.26 6431.5,3029 6265,3029 6221.31,3072.69 5783.69,3072.69 5714,3003 5280,3003 5208,3075 5208,3313 5225,3330 5225,3374 v1(5197,3402)
NetFront_Right_?_3: Front_Right_?.3 STM32_?.50 | length 5284.9
  Top Layer w10: Front_Right_?.3@1930,5930 1908,5908 1908,4412 v1(1987,4333) ; v1(4654,3811) 4807.07,3811 v1(4825.07,3793) ; STM32_?.50@5127.17,3620.32 5163.1,3620.32 5163.79,3621 5163.79,3647.79 v1(5174,3658)
  Bottom Layer w10: v1(1987,4333) 2173,4333 2316,4190 2540,4190 2550,4180 2550,4096 2670,3976 2926,3976 2984,3918 4636,3918 4636,3829 v1(4654,3811) ; v1(4825.07,3793) 4876.99,3741.08 5090.92,3741.08 v1(5174,3658)
NetFront_Right_Encoder_3: Front_Right_Encoder.3 STM32_?.36 | length 4570.9
  Top Layer w10: Front_Right_Encoder.3@2260.08,5839.61 2260.08,5783.38 2478.46,5565 v1(2728,5565) ; v1(4569,4004) 4584,3989 4809,3989 v1(4848,4028) ; v1(4941,3955) 5000.09,3895.91 STM32_?.36@5127.17,3895.91
  Bottom Layer w10: v1(2728,5565) 2870,5423 2870,4116 3048,3938 4487.54,3938 4525.54,3976 4565.54,3976 v1(4569,4004) ; v1(4848,4028) 4921,3955 v1(4941,3955)
NetFront_Right_Encoder_4: Front_Right_Encoder.4 STM32_?.37 | length 4837.4
  Top Layer w10: Front_Right_Encoder.4@2220.71,5839.61 2220.71,5797.29 2564,5454 3823,5454 3837,5440 3837,5222 4060,4999 4060,4493 v1(4030,4463) ; v1(4193,4187) 4193,4095 4221,4067 4259,4067 4309,4017 4309,3717.97 4376.97,3650 4490,3650 4500,3660 4500,3840 4546,3886 4741,3886 4766,3861 5060.78,3861 5076,3876.22 STM32_?.37@5127.17,3876.22
  Bottom Layer w10: v1(4030,4463) 4030,4397.75 4193,4234.75 v1(4193,4187)